# Altium PCB CarrierMotherboard.PcbDoc (part 5 of 6)
Units mm, origin at the board's own origin, x right, y up, seen from the top; angles counter-clockwise.
Board outline 152.4 x 101.6 mm, 8 copper layers (L1-CU, GND, L3-CU-PWR, L4-CU, L5-CU-GND, L6-CU, L7-CU-GND, L8-CU), stack 1.524 mm thick; 270 components, 270 nets, 1285 pads, 799 vias.
Unrouted connection lines stored in the file: 236.
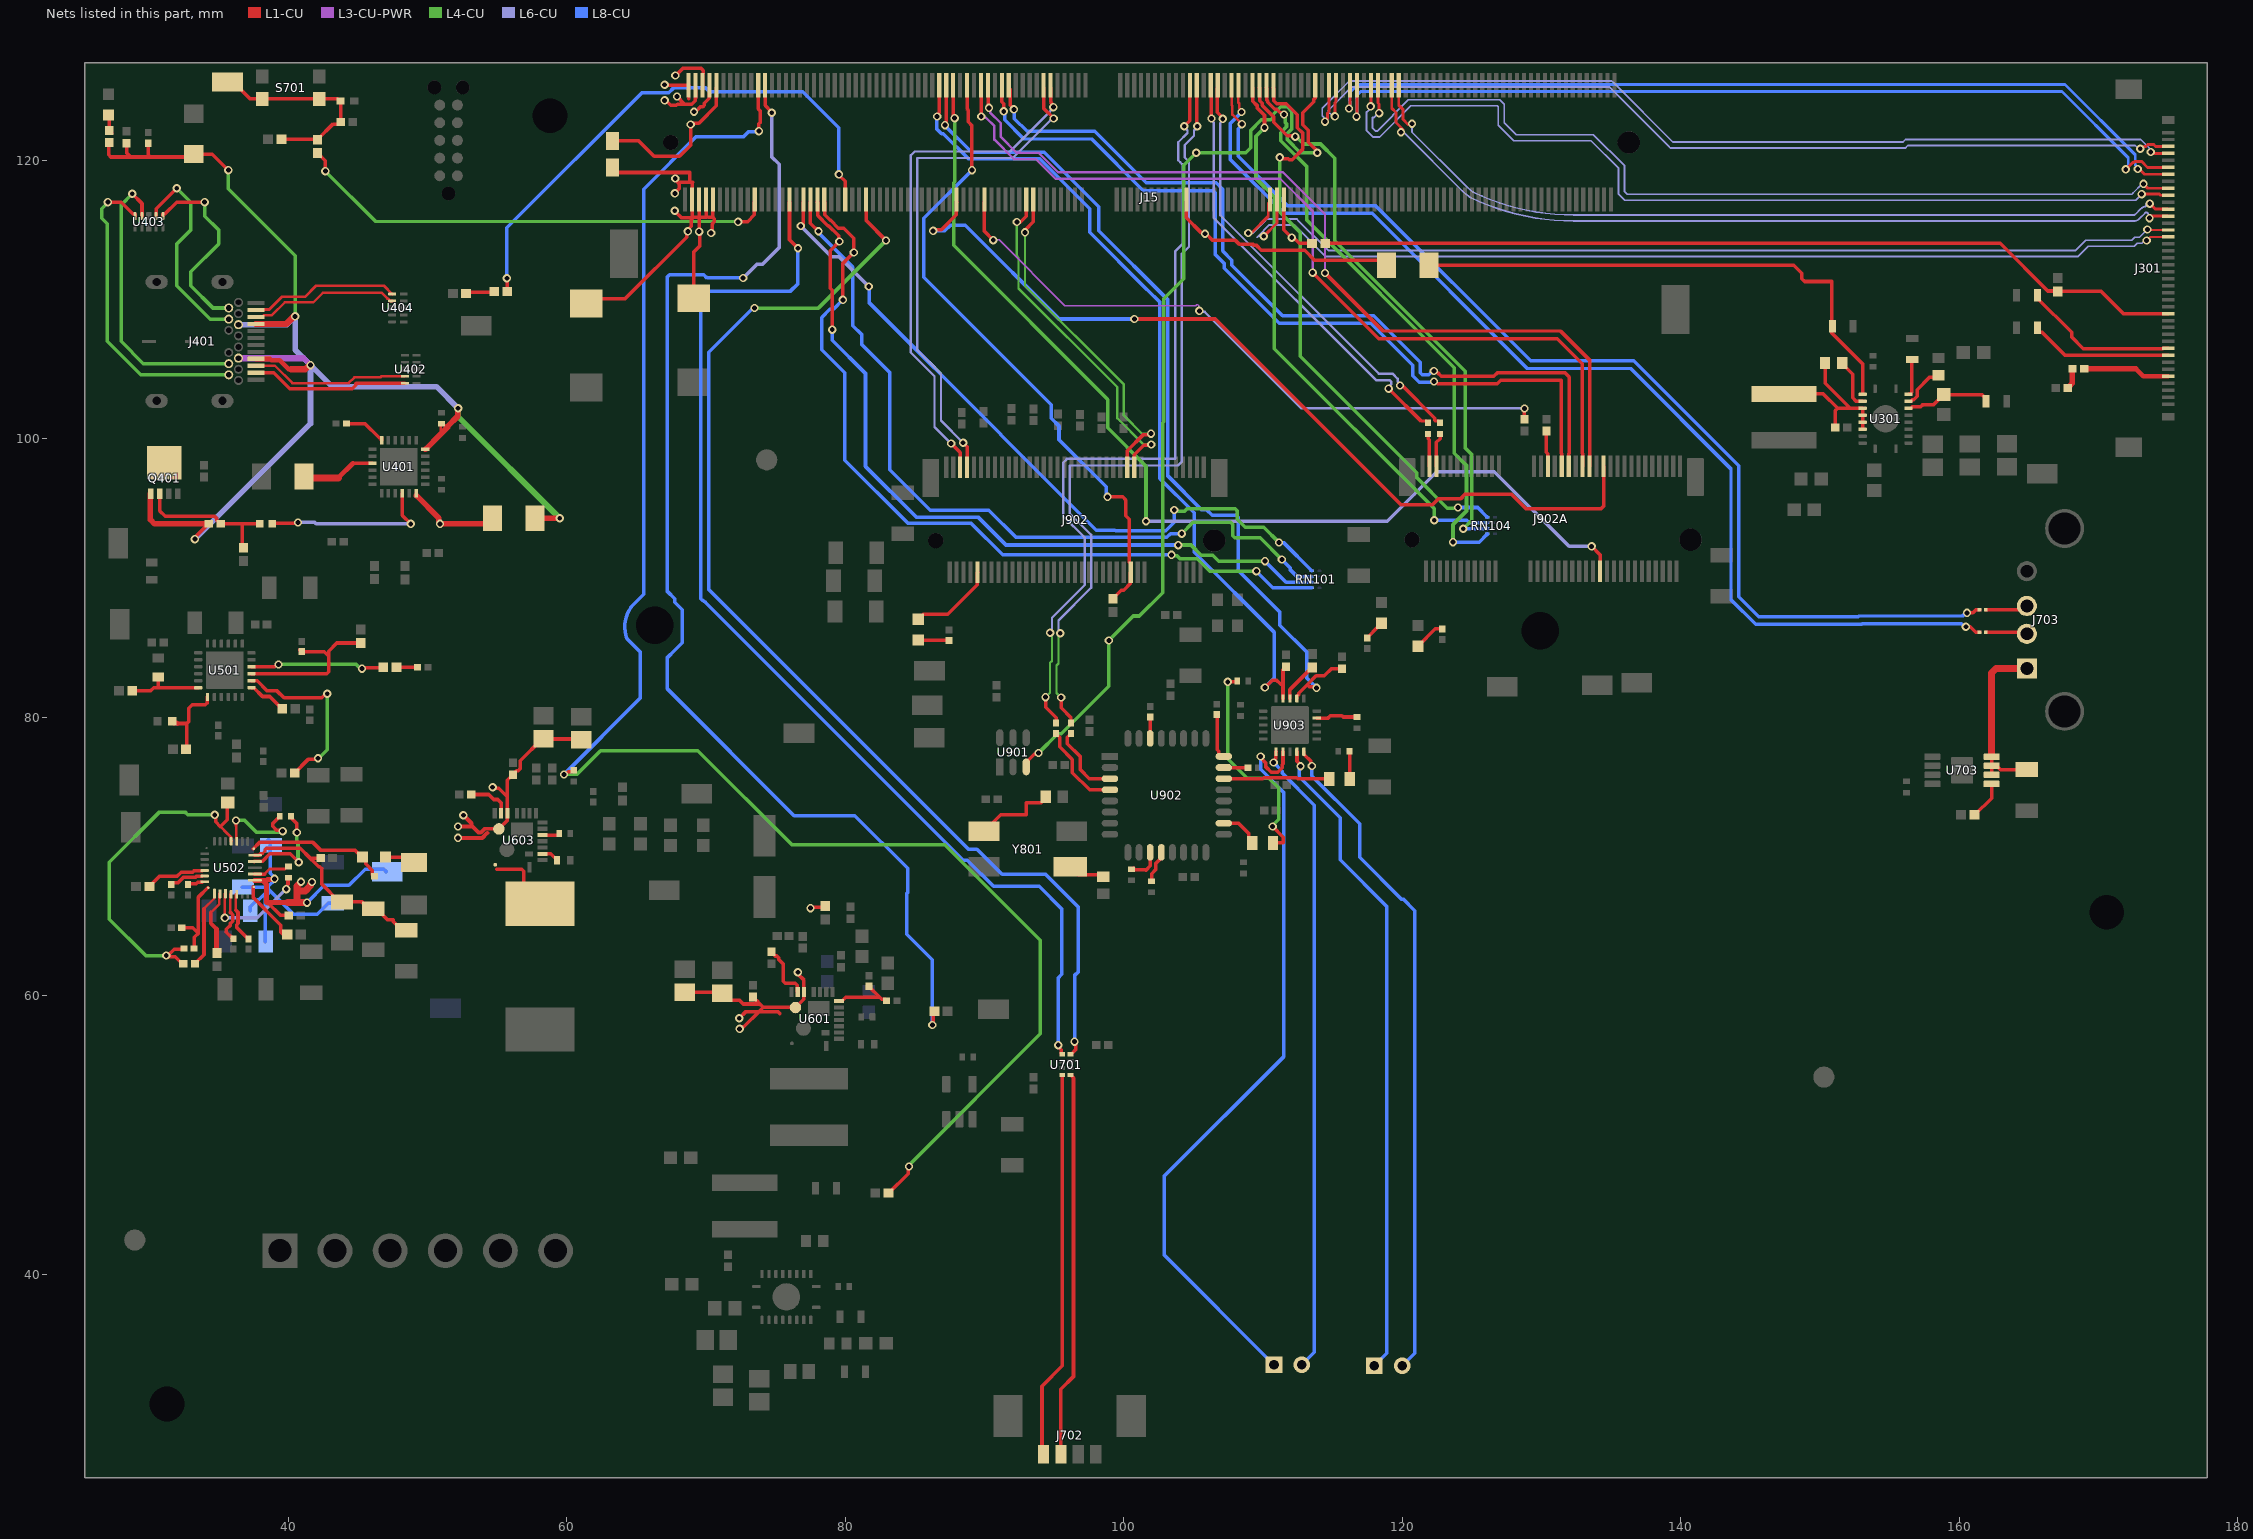
[diagram p11: the nets of this part, all layers, seen from the top]

## Via types
v1: diameter 0.6, hole 0.35, L1-CU to L8-CU, 799 vias

## Nets (pads, with @x,y where several pads share a name; then routed paths per layer and width w, separated by ;. In a path a pad name is that pad's centre, name@x,y a point inside that pad or via, vN(x,y) a via of type N, cw(c..) or ccw(c..) an arc to the next point about the centre after c; other vN are vias at no path point) (continued)
NetC511_1: C511.1 U502.26 | length 2.7
  L1-CU w0.2: 38.303,68.75 38.667,69.113 39.756,69.113 39.934,69.291 C511.1@39.984,69.291
  L1-CU w0.254: U502.26@37.553,68.75 38.303,68.75
NetC511_2: C511.2 U502.19 | length 7.9
  L1-CU w0.18: v1(35.453,65.6) U502.19@35.453,67.34
  L1-CU w0.254: v1(39.857,67.666) 39.923,67.732 39.923,67.952 39.984,68.013 C511.2@39.984,68.491
  L4-CU w0.254: v1@39.831,67.666 v1(39.857,67.666)
  L6-CU w0.254: v1(35.453,65.6) 37.766,65.6 v1@39.831,67.666
NetC512_1: C512.1 U502.4 | length 7
  L1-CU w0.18: 36.253,72.2 36.253,71.347 36.3,71.3 U502.4@36.3,71.1
  L1-CU w0.2: 36.253,72.2 v1(36.253,72.6)
  L1-CU w0.254: C512.1@39.353,72.9 39.353,72.85 38.884,72.381 38.884,72.171 39.157,71.897 39.536,71.897 v1(39.603,71.831)
  L4-CU w0.254: v1(36.253,72.6) 36.878,72.6 37.719,71.759 39.049,71.759 39.055,71.765 39.536,71.765 v1(39.603,71.831)
NetC512_2: C512.2 U502.28 | length 7.2
  L1-CU w0.254: U502.28@37.553,69.65 37.58,69.677 38.157,69.677 38.684,70.204 40.149,70.204 v1(40.753,69.6) ; C512.2@40.153,72.9 40.153,72.85 40.622,72.381 v1(40.622,71.731)
  L4-CU w0.254: v1(40.622,71.731) 40.622,71.004 40.703,70.923 40.703,69.65 v1(40.753,69.6)
NetC513_2: C513.2 U502.24 | length 4.3
  L1-CU w0.254: U502.24@37.484,67.819 37.484,67.062 39.465,65.081 39.465,64.582 C513.2@39.648,64.4
NetC514_1: C514.1 C518.1 C520.1 C522.1 U502.29 | length 14.8
  L1-CU w0.2: U502.29@37.992,70.193 38.019,70.22 38.166,70.22 38.33,70.384 38.33,70.531 38.411,70.612
  L1-CU w0.254: U502.29@37.578,70.1 37.899,70.1 U502.29@37.992,70.193 ; 38.411,70.612 40.856,70.612 41.567,69.901 ; C514.1@42.276,69.901 41.567,69.901 ; C518.1@43.632,66.802 42.422,68.011 42.422,69.13 42.273,69.279 42.189,69.279 41.939,69.529 41.567,69.901 ; C518.1@43.811,66.746 45.301,66.746 45.779,66.269 46.054,66.269 46.329,66.269 47.117,65.481 47.527,65.481 47.527,65.352 48.157,64.722 C522.1@48.432,64.722
NetC607_1: C607.1 U601.23 | length 4.1
  L1-CU w0.254: C607.1@74.7,63.157 74.7,63.136 74.971,62.865 75.093,62.865 75.243,62.714 75.243,62.592 75.544,62.291 75.544,61.054 75.693,60.905 76.394,60.905 76.545,60.754 76.545,60.661 76.565,60.641 76.565,60.309 U601.23@76.588,60.286
NetC611_1: C611.1 U603.15 | length 1.3
  L1-CU w0.254: U603.15@58.25,71.55 59.394,71.55 59.467,71.623 C611.1@59.467,71.673
NetC617_1: 
NetC620_1: C620.1 U603.12 | length 1.2
  L1-CU w0.254: U603.12@58.25,70.2 58.857,70.2 C620.1@59.309,69.748
NetC622_1: 
NetC622_2: 
NetC623_1: C623.1 U603.23 | length 3.1
  L1-CU w0.254: C623.1@53.148,74.461 54.412,74.461 54.771,74.102 55.041,74.102 55.288,73.856 U603.23@55.288,73.113
NetC911_1: C911.1 R906.2 | length 15.9
  L1-CU w0.254: v1(107.467,82.55) 107.493,82.575 108.128,82.575 C911.1@108.153,82.601 ; v1(110.693,72.161) 111.455,71.399 111.455,70.993 R906.2@110.72,70.993
  L4-CU w0.254: v1(107.467,82.55) 107.467,77.038 108.864,75.641 110.414,75.641 111.125,74.93 111.125,72.687 110.693,72.255 v1(110.693,72.161)
NetC912_1: C912.1 R907.2 | length 2
  L1-CU w0.254: C912.1@116.197,77.569 116.22,77.546 116.22,75.614 R907.2@116.244,75.59
NetC913_2: C913.2 Y801.4 | length 2.7
  L1-CU w0.254: Y801.4@96.166,69.266 96.739,68.693 98.316,68.693 C913.2@98.516,68.493
NetC914_2: C914.1@94.415,74.286 Y801.2 | length 6.9
  L1-CU w0.254: Y801.2@89.966,71.806 91.16,73 92.986,73 ; 92.986,73.746 92.986,73 ; C914.1@94.51,74.286 94.51,74.211 94.262,73.963 94.187,73.963 94.087,73.863 92.989,73.863 92.989,73.003 92.986,73
NetC919_1: C919.1 U903.14 | length 3
  L1-CU w0.254: U903.14@113.863,79.951 114.67,79.951 114.831,80.112 115.672,80.112 115.754,80.029 C919.1@116.764,80.029
NetD101_1: D101.1 J902.10 | length 6.2
  L1-CU w0.254: D101.1@85.242,87.047 85.597,87.401 87.351,87.401 89.48,89.53 89.48,90.398 J902.10@89.503,90.421
NetD101_2: D101.2 R106.2 | length 2.2
  L1-CU w0.254: D101.2@85.242,85.547 85.265,85.524 R106.2@87.452,85.524
NetD102_2: D102.2 R104.1 | length 1.5
  L1-CU w0.254: R104.1@117.487,85.702 117.487,85.724 118.25,86.487 D102.2@118.523,86.76
NetD103_2: D103.2 R105.1 | length 2.3
  L1-CU w0.254: D103.2@121.13,85.109 122.376,86.355 R105.1@122.885,86.355
NetD402_2: D403.2 R409.1 | length 1.4
  L1-CU w0.254: D403.2@27.1,123.25 27.153,123.197 R409.1@27.153,122.149 ; R409.1@27.151,122.149 27.151,122.125 R409.1@27.326,121.951
NetD501_2: D501.2 R514.1 | length 2.2
  L1-CU w0.254: D501.2@46.94,69.968 48.594,69.968 R514.1@48.99,69.572
NetD601_1: 
NetD703_1: D703.1 J15.109 | length 79
  L1-CU w0.182: J15.109@108.25,125.2 108.241,125.191 108.241,124.155 108.282,124.113 108.282,123.758 108.458,123.583 v1(108.458,123.469)
  L1-CU w0.249: v1(160.477,86.512) 160.805,86.512 161.198,86.119 D703.1@161.462,86.119
  L8-CU w0.249: v1(108.458,123.469) 107.666,122.678 107.666,120.056 111.533,116.19 117.856,116.19 128.991,105.054 136.398,105.054 143.612,97.841 143.612,88.444 145.381,86.675 152.985,86.675 153.044,86.733 160.161,86.733 160.382,86.512 v1(160.477,86.512)
NetD704_1: D704.1 J15.111 | length 78
  L1-CU w0.182: J15.111@107.75,125.2 107.759,125.191 107.759,123.955 107.801,123.914 107.801,123.288 v1(108.483,122.606)
  L1-CU w0.249: v1(160.553,87.503) 160.986,87.503 161.198,87.714 D704.1@161.462,87.714
  L8-CU w0.249: v1(108.483,122.606) 108.483,122.553 108.215,122.284 108.215,120.283 111.76,116.738 118.083,116.738 129.219,105.603 136.625,105.603 144.16,98.068 144.16,88.671 145.608,87.224 152.758,87.224 152.817,87.282 160.237,87.282 160.458,87.503 v1(160.553,87.503)
NetJ15A_63: J15.63 J301.12 | length 60.5
  L1-CU w0.206: J15.63@119.75,125.2 119.75,123.959 120.069,123.641 120.069,122.933 v1@120.421,122.58 ; v1(173.685,116.891) 174.076,116.5 J301.12@175,116.5
  L6-CU w0.13: v1(120.701,122.631) 120.701,122.033 124.626,118.107 cw(c124.322,117.803) 124.628,118.106 124.638,118.095 ccw(c124.73,118.187) 124.645,118.089 125.048,117.745 ccw(c125.132,117.844) 125.075,117.728 ccw(c132.315,132.771) 125.085,117.723 ccw(c125.141,117.84) 125.115,117.713 ccw(c132.315,132.732) 132.31,116.076 172.543,116.076 ccw(c172.543,116.206) 172.635,116.114 173.047,116.526 cw(c173.443,116.13) 173.323,116.677 ccw(c173.296,116.804) 173.426,116.804 173.426,116.816 cw(c173.555,116.816) 173.62,116.929 173.555,116.967 cw(c173.555,116.837) 173.647,116.929 v1(173.685,116.891)
NetJ15A_65: J15.65 J301.13 | length 61.1
  L1-CU w0.206: J15.65@119.25,125.2 119.25,123.743 119.562,123.431 119.562,122.723 v1@120.063,122.222 ; v1(173.66,115.849) 173.81,116 J301.13@175,116
  L6-CU w0.13: v1(119.913,122.022) 120.104,122.022 124.322,117.803 124.334,117.792 ccw(c124.73,118.187) 124.366,117.762 124.77,117.417 ccw(c125.132,117.844) 124.884,117.343 ccw(c124.981,117.535) 124.887,117.341 ccw(c132.315,132.771) 124.899,117.335 124.928,117.321 ccw(c132.315,132.771) 132.31,115.646 172.543,115.646 ccw(c172.543,116.206) 172.939,115.81 173.351,116.222 cw(c173.443,116.13) 173.567,116.167 v1(173.66,115.849)
NetJ15A_69: J15.69 J301.9 | length 66.5
  L1-CU w0.206: J15.69@118.25,125.2 118.256,125.194 118.256,124.128 118.339,124.046 v1(118.339,123.393) ; v1(173.228,118.313) 173.541,118 J301.9@175,118
  L6-CU w0.13: v1(118.339,123.393) 118.282,123.393 117.96,123.072 117.869,123.072 117.869,122.319 118.084,122.104 118.192,122.104 120.445,124.356 127.002,124.356 127.33,124.029 127.33,122.705 128.194,121.842 133.733,121.842 135.966,119.609 135.966,117.752 136.153,117.565 172.404,117.565 172.48,117.641 172.48,117.655 173.138,118.313 v1(173.228,118.313)
NetJ15A_71: J15.71 J301.10 | length 66.8
  L1-CU w0.206: v1(117.729,123.876) 117.75,123.897 J15.71@117.75,125.2 ; v1(173.101,117.577) 174.37,117.577 174.447,117.5 J301.10@175,117.5
  L6-CU w0.13: v1(117.729,123.876) 117.729,123.757 117.439,123.466 117.439,122.141 117.906,121.674 118.37,121.674 120.623,123.927 126.824,123.927 126.9,123.851 126.9,122.527 128.016,121.412 133.555,121.412 135.536,119.431 135.536,117.574 135.975,117.135 172.582,117.135 172.586,117.139 172.663,117.139 v1(173.101,117.577)
NetJ15A_75: J15.75 J301.6 | length 65.5
  L1-CU w0.206: v1(116.713,123.139) 116.75,123.176 J15.75@116.75,125.2 ; v1(171.958,119.355) 172.462,119.859 172.546,119.859 172.601,119.913 173.106,119.913 173.519,119.5 J301.6@175,119.5
  L8-CU w0.206: v1(116.713,123.139) 116.753,123.18 116.753,124.422 116.713,124.462 116.713,124.633 117.02,124.94 167.39,124.94 172.137,120.194 172.137,119.64 171.958,119.461 v1(171.958,119.355)
NetJ15A_77: J15.77 J301.7 | length 64.9
  L1-CU w0.206: v1@116.23,123.723 116.25,123.743 J15.77@116.25,125.2 ; v1(172.822,119.38) 172.923,119.38 173.303,119 J301.7@175,119
  L8-CU w0.206: v1(116.18,123.723) 116.247,123.791 116.247,124.212 116.207,124.252 116.207,124.843 116.81,125.446 167.6,125.446 172.643,120.403 172.643,119.665 172.822,119.487 v1(172.822,119.38)
NetJ15A_81: J15.81 J301.3 | length 65.9
  L1-CU w0.206: v1(115.164,123.165) 115.164,124.135 115.25,124.222 J15.81@115.25,125.2 ; v1(173.003,120.832) 173.11,120.832 173.28,121.002 173.401,121.002 173.532,121.133 173.973,121.133 174.1,121.006 174.994,121.006 J301.3@175,121
  L6-CU w0.13: v1(115.164,123.165) 115.036,123.165 114.816,123.385 114.792,123.385 114.7,123.477 114.7,123.584 116.388,125.273 134.874,125.273 139.14,121.006 139.266,120.881 156.13,120.881 156.318,121.069 172.639,121.069 172.876,120.832 v1(173.003,120.832)
NetJ15A_83: J15.83 J301.4 | length 67.6
  L1-CU w0.206: v1(114.452,122.784) 114.63,122.962 114.63,123.385 114.75,123.505 J15.83@114.75,125.2 ; v1(173.753,120.6) 173.852,120.5 J301.4@175,120.5
  L6-CU w0.13: v1(114.452,122.784) 114.362,122.874 114.362,123.106 114.258,123.211 114.258,123.75 116.21,125.703 135.052,125.703 135.178,125.577 139.444,121.31 155.952,121.31 156.14,121.499 173.036,121.499 173.663,120.873 173.663,120.69 v1(173.753,120.6)
NetJ15A_87: J15.87 U901.3 | length 69.1
  L1-CU w0.254: U901.3@93,76.445 93,76.783 93.574,77.357 93.791,77.357 v1(93.878,77.445) ; J15.87@113.75,125.2 113.75,124.475 113.657,124.382 113.657,124.219 112.854,123.416 112.854,122.564 113.255,122.162 113.255,121.31 113.894,120.672 v1(113.894,120.548)
  L4-CU w0.254: v1(93.878,77.445) 95.255,78.821 95.509,78.821 98.933,82.245 v1(98.933,85.522) 100.691,87.28 101.123,87.28 102.794,88.951 102.794,101.168 102.87,101.244 102.87,110.058 104.321,111.509 104.321,119.662 v1(105.207,120.548) 108.763,120.548 109.115,120.901 109.115,122.146 109.878,122.909 110.34,122.909 110.342,122.906 110.553,122.906 110.702,123.055 110.702,123.275 111.275,123.849 111.737,123.849 112.074,123.511 112.074,122.253 111.757,121.936 111.757,121.475 112.684,120.548 v1(113.894,120.548)
NetJ15A_96: J15.96 R206.2 | length 4.4
  L1-CU w0.254: J15.96@111.5,117 111.5,115.017 v1(112.065,114.452) 112.189,114.452 112.595,114.046 R206.2@113.52,114.046
NetJ15A_98: J15.98 J301.16 | length 70.5
  L1-CU w0.144: v1(173.457,114.249) 173.707,114.5 J301.16@175,114.5
  L1-CU w0.206: v1(110.058,114.554) 111,115.496 J15.98@111,117
  L6-CU w0.13: 109.576,114.478 109.652,114.554 ; v1(110.058,114.554) 109.652,114.554 ; v1(173.457,114.249) 173.329,114.249 173.124,114.044 172.79,114.044 172.581,113.834 169.261,113.834 168.533,113.106 114.505,113.106 114.379,113.232 112.243,115.368 110.465,115.368 109.652,114.554
NetJ15A_99: J15.99 RN104.8 | length 41.1
  L1-CU w0.254: J15.99@110.75,125.2 110.773,125.177 110.773,124.289 110.994,124.068 111.669,124.068 112.47,123.267 112.47,122.338 112.871,121.936 112.871,120.822 112.09,120.04 111.88,120.04 111.789,120.131 111.289,120.131 v1(111.201,120.218)
  L4-CU w0.254: v1(111.201,120.218) 111.201,116.294 112.677,114.818 112.677,105.94 121.04,97.578 121.04,97.222 123.231,95.031 123.962,95.031 v1(124.003,95.072)
  L8-CU w0.254: v1(124.003,95.072) 125.412,95.072 126.072,94.413 126.088,94.413 126.111,94.39 RN104.8@126.111,94.374
NetJ15A_100: J15.100 J301.15 | length 71.1
  L1-CU w0.144: v1(173.507,115.037) 173.544,115 J301.15@175,115
  L1-CU w0.206: v1(108.941,114.783) 109.18,114.783 110.383,115.985 110.383,116.883 J15.100@110.5,117
  L6-CU w0.13: v1(108.941,114.783) 109.272,114.782 110.162,115.672 110.287,115.797 112.422,115.797 112.547,115.672 114.683,113.536 168.355,113.536 169.083,114.264 172.403,114.264 172.612,114.474 172.944,114.474 v1(173.507,115.037)
NetJ15A_101: J15.101 RN104.5 | length 42.2
  L1-CU w0.254: J15.101@110.25,125.2 110.273,125.177 110.273,124.331 110.343,124.261 110.343,124.175 110.834,123.684 110.99,123.684 111.382,123.292 v1(111.506,123.292)
  L4-CU w0.254: v1(111.506,123.292) 111.593,123.204 111.593,122.719 111.69,122.622 111.69,122.412 111.274,121.996 111.274,121.415 113.157,119.532 113.157,115.697 123.749,105.105 123.749,98.957 124.615,98.09 124.615,94.818 123.647,93.85 v1(123.647,92.583)
  L8-CU w0.254: v1(123.647,92.583) 125.52,92.583 126.072,93.134 126.088,93.134 126.111,93.157 RN104.5@126.111,93.174
NetJ15A_103: J15.103 RN104.6 | length 41
  L1-CU w0.254: J15.103@109.75,125.2 109.773,125.177 109.773,124.288 109.959,124.102 109.959,123.946 110.786,123.119 110.786,122.741 111.756,121.772 112.248,121.772 v1(112.314,121.706)
  L4-CU w0.254: v1(112.314,121.706) 112.401,121.706 112.929,121.178 114.131,121.178 115.161,120.148 115.161,114.236 124.536,104.861 124.536,99.343 124.999,98.879 124.999,94.164 v1(124.384,93.548)
  L8-CU w0.254: v1(124.384,93.548) 125.943,93.548 125.952,93.558 126.095,93.558 RN104.6@126.111,93.574
NetJ15A_105: J15.105 RN104.7 | length 40.8
  L1-CU w0.254: J15.105@109.25,125.2 109.273,125.177 109.273,124.245 109.575,123.943 109.575,123.787 110.109,123.253 v1(110.109,122.352)
  L4-CU w0.254: v1(110.109,122.352) 109.499,121.742 109.499,118.694 110.817,117.376 110.817,106.48 122.301,94.996 v1(122.301,94.158)
  L8-CU w0.254: v1(122.301,94.158) 122.304,94.161 124.638,94.161 124.825,93.974 RN104.7@126.111,93.974
NetJ15A_115: J15.115 R102.1 | length 31.6
  L1-CU w0.249: J15.115@106.75,125.2 106.726,125.176 106.726,123.462 107.112,123.076 v1(107.112,122.981) ; v1(119.837,103.835) 119.992,103.835 122.338,101.489 122.338,101.334 122.389,101.284 122.596,101.284 R102.1@122.72,101.159
  L6-CU w0.167: v1(107.112,122.981) 107.112,122.863 106.939,122.691 106.939,116.058 118.311,104.685 119.297,104.685 119.669,104.314 119.669,104.12 119.837,103.952 v1(119.837,103.835)
NetJ15A_117: J15.117 R101.1 | length 31.5
  L1-CU w0.249: J15.117@106.25,125.2 106.275,125.175 106.275,123.037 v1(106.299,123.012) ; v1(119.024,103.607) 121.347,101.284 121.734,101.284 R101.1@121.859,101.159
  L6-CU w0.167: v1(106.299,123.012) 106.299,122.895 106.472,122.722 106.472,115.864 118.118,104.218 119.104,104.218 119.202,104.12 119.202,103.901 119.024,103.724 v1(119.024,103.607)
NetJ15A_124: J15.124 R208.1 | length 16.9
  L1-CU w0.254: J15.124@104.5,117 104.5,115.87 105.551,114.819 105.754,114.819 v1(105.842,114.732) 105.918,114.732 106.401,114.249 108.023,114.249 108.28,113.992 109.248,113.992 109.322,113.919 109.499,113.919 109.88,113.538 112.99,113.538 113.701,112.827 118.516,112.827 R208.1@118.872,112.471
NetJ15A_182: J15.182 J902A.53 | length 63.4
  L1-CU w0.254: v1(86.309,114.935) 86.397,115.022 86.911,115.022 87.977,116.089 87.977,116.977 J15.182@88,117 ; v1(100.762,108.61) 106.578,108.61 119.913,95.275 122.174,95.275 122.583,95.685 124.184,95.685 124.536,96.037 127.838,96.037 128.88,94.996 134.293,94.996 134.458,95.16 J902A.53@134.458,98.034
  L8-CU w0.254: v1(86.309,114.935) 87.158,114.935 87.565,115.341 88.621,115.341 95.352,108.61 v1(100.762,108.61)
NetJ15A_183: J15.183 J902A.52 | length 74.7
  L1-CU w0.254: J15.183@87.75,125.2 87.75,123.24 87.859,123.131 v1(87.859,123.038) ; v1(133.604,92.278) 134.208,91.675 J902A.52@134.208,90.484
  L4-CU w0.254: v1(87.859,123.038) 87.859,118.457 87.782,118.381 87.782,113.894 98.85,102.826 98.85,100.794 101.6,98.044 v1(101.6,94.082)
  L6-CU w0.254: v1(101.6,94.082) 118.923,94.082 122.479,97.638 126.619,97.638 131.978,92.278 v1(133.604,92.278)
NetJ15A_185: J15.185 R908.1 U903.17 | length 63.5
  L1-CU w0.254: v1(87.169,122.53) 87.25,122.61 J15.185@87.25,125.2 ; U903.17@112.438,81.351 112.438,81.517 112.561,81.64 112.561,81.728 113.187,82.354 ; v1(113.843,82.118) 113.755,82.206 113.336,82.206 113.187,82.354 ; R908.1@115.672,83.493 114.919,83.493 114.407,82.981 113.813,82.981 113.187,82.354
  L8-CU w0.254: v1(87.169,122.53) 87.169,122.482 89.078,120.574 94.285,120.574 98.196,116.662 98.196,114.954 103.175,109.976 103.175,97.333 105.613,94.894 105.969,94.894 106.35,94.513 108.081,94.513 108.229,94.365 108.229,90.551 111.213,87.568 111.213,86.628 113.16,84.681 113.16,82.801 v1(113.843,82.118)
NetJ15A_187: J15.187 R909.1 U903.19 | length 60.6
  L1-CU w0.254: v1(86.603,123.152) 86.603,123.275 86.75,123.422 J15.187@86.75,125.2 ; v1(110.134,82.144) 110.665,82.674 110.973,82.674 111.269,82.377 111.438,82.377 ; U903.19@111.438,81.351 111.438,82.377 ; R909.1@111.658,83.645 111.658,83.624 111.438,83.403 111.438,82.377
  L8-CU w0.254: v1(86.603,123.152) 86.557,123.105 86.557,122.276 86.916,121.917 87.049,121.917 88.849,120.117 93.98,120.117 97.561,116.535 97.561,114.833 101.676,110.719 101.702,110.719 102.589,109.831 102.589,97.157 105.054,94.691 105.054,91.869 110.795,86.129 110.795,82.804 v1(110.134,82.144)
NetJ15A_208: J15.208 U701.4 | length 83.3
  L1-CU w0.254: J15.208@81.5,117 81.5,115.68 v1(82.931,114.249) ; U701.4@96.18,55.817 96.208,55.845 96.263,55.845 96.566,56.148 96.566,56.498 96.469,56.594 v1(96.469,56.718)
  L4-CU w0.254: v1(73.482,109.398) 78.08,109.398 v1(82.931,114.249)
  L8-CU w0.254: v1@73.431,109.449 70.206,106.223 70.206,89.179 88.849,70.536 89.459,70.536 91.262,68.732 94.386,68.732 96.749,66.37 96.749,61.746 96.469,61.466 v1(96.469,56.718)
NetJ15A_214: J15.214 R203.1 | length 39.3
  L1-CU w0.254: v1(55.702,111.531) 55.72,111.514 55.72,110.609 R203.1@55.738,110.592 ; v1(79.547,118.999) 79.547,118.942 80,118.489 J15.214@80,117
  L8-CU w0.254: v1(55.702,111.531) 55.702,115.164 65.405,124.866 67.333,124.866 67.666,125.2 69.976,125.2 70.259,124.917 76.962,124.917 79.547,122.332 v1(79.547,118.999)
NetJ15A_220: J15.220 RN101.5 | length 58.8
  L1-CU w0.254: J15.220@78.5,117 78.523,116.977 78.523,116.089 78.916,115.696 78.954,115.696 79.512,115.138 79.883,115.138 80.62,114.402 v1(80.62,113.386) 79.832,112.598 v1(79.832,109.982)
  L4-CU w0.254: v1(103.429,91.669) 103.495,91.602 103.825,91.602 104.038,91.389 105.283,91.389 106.172,90.5 v1(109.525,90.5)
  L8-CU w0.254: v1(79.832,109.982) 79.153,109.303 78.897,109.303 78.305,108.712 78.305,106.404 79.959,104.75 79.959,98.476 84.48,93.955 89.027,93.955 91.313,91.669 v1(103.429,91.669) ; v1(109.525,90.5) 110.709,89.316 RN101.5@113.502,89.316
NetJ15A_222: J15.222 RN101.6 | length 56.5
  L1-CU w0.254: J15.222@78,117 78.023,116.977 78.023,116.045 78.757,115.312 78.795,115.312 79.528,114.578 79.528,114.223 v1(79.578,114.173) 78.918,113.513 78.918,110.819 79.07,110.666 v1(79.07,107.848)
  L4-CU w0.254: v1(103.919,92.371) 103.928,92.38 104.835,92.38 105.576,91.639 106.405,91.639 106.819,91.225 v1(110.147,91.225)
  L8-CU w0.254: v1(79.07,107.848) 79.07,107.086 81.458,104.699 81.458,98.019 85.09,94.386 89.535,94.386 91.542,92.38 103.91,92.38 v1(103.919,92.371) ; v1(110.147,91.225) 111.655,89.716 RN101.6@113.502,89.716
NetJ15A_224: J15.224 RN101.7 | length 56.5
  L1-CU w0.254: J15.224@77.5,117 77.5,115.489 v1(78.08,114.91)
  L4-CU w0.254: v1(104.165,93.193) 104.978,94.005 107.674,94.005 107.823,93.857 107.823,93.037 107.972,92.888 109.804,92.888 v1(111.354,91.338)
  L8-CU w0.254: v1(78.08,114.91) 78.08,114.805 80.543,112.341 80.543,108.132 81.181,107.495 81.181,106.779 83.192,104.768 83.192,97.783 86.099,94.876 90.315,94.876 92.264,92.928 103.097,92.928 103.362,93.193 v1(104.165,93.193) ; v1(111.354,91.338) 111.945,90.747 111.945,90.62 112.449,90.116 RN101.7@113.502,90.116
NetJ15A_226: J15.226 RN101.8 | length 51.7
  L1-CU w0.254: v1(76.81,115.291) 77,115.481 J15.226@77,117
  L4-CU w0.254: v1(103.632,94.894) 103.734,94.793 104.369,94.793 104.546,94.971 108.004,94.971 108.153,94.822 108.153,94.234 108.737,93.65 110.058,93.65 v1(111.15,92.558)
  L6-CU w0.254: v1(76.81,115.291) 79.007,113.094 79.54,113.094 v1(81.686,110.947)
  L8-CU w0.254: v1(81.686,110.947) 81.712,110.922 81.712,109.79 91.164,100.338 91.164,100.301 98.018,93.447 99.362,93.447 99.413,93.396 103.022,93.396 103.632,94.005 v1(103.632,94.894) ; v1(111.15,92.558) 111.476,92.558 113.502,90.532 RN101.8@113.502,90.516